# KiCad board gpu-external-power-supply.kicad_pcb
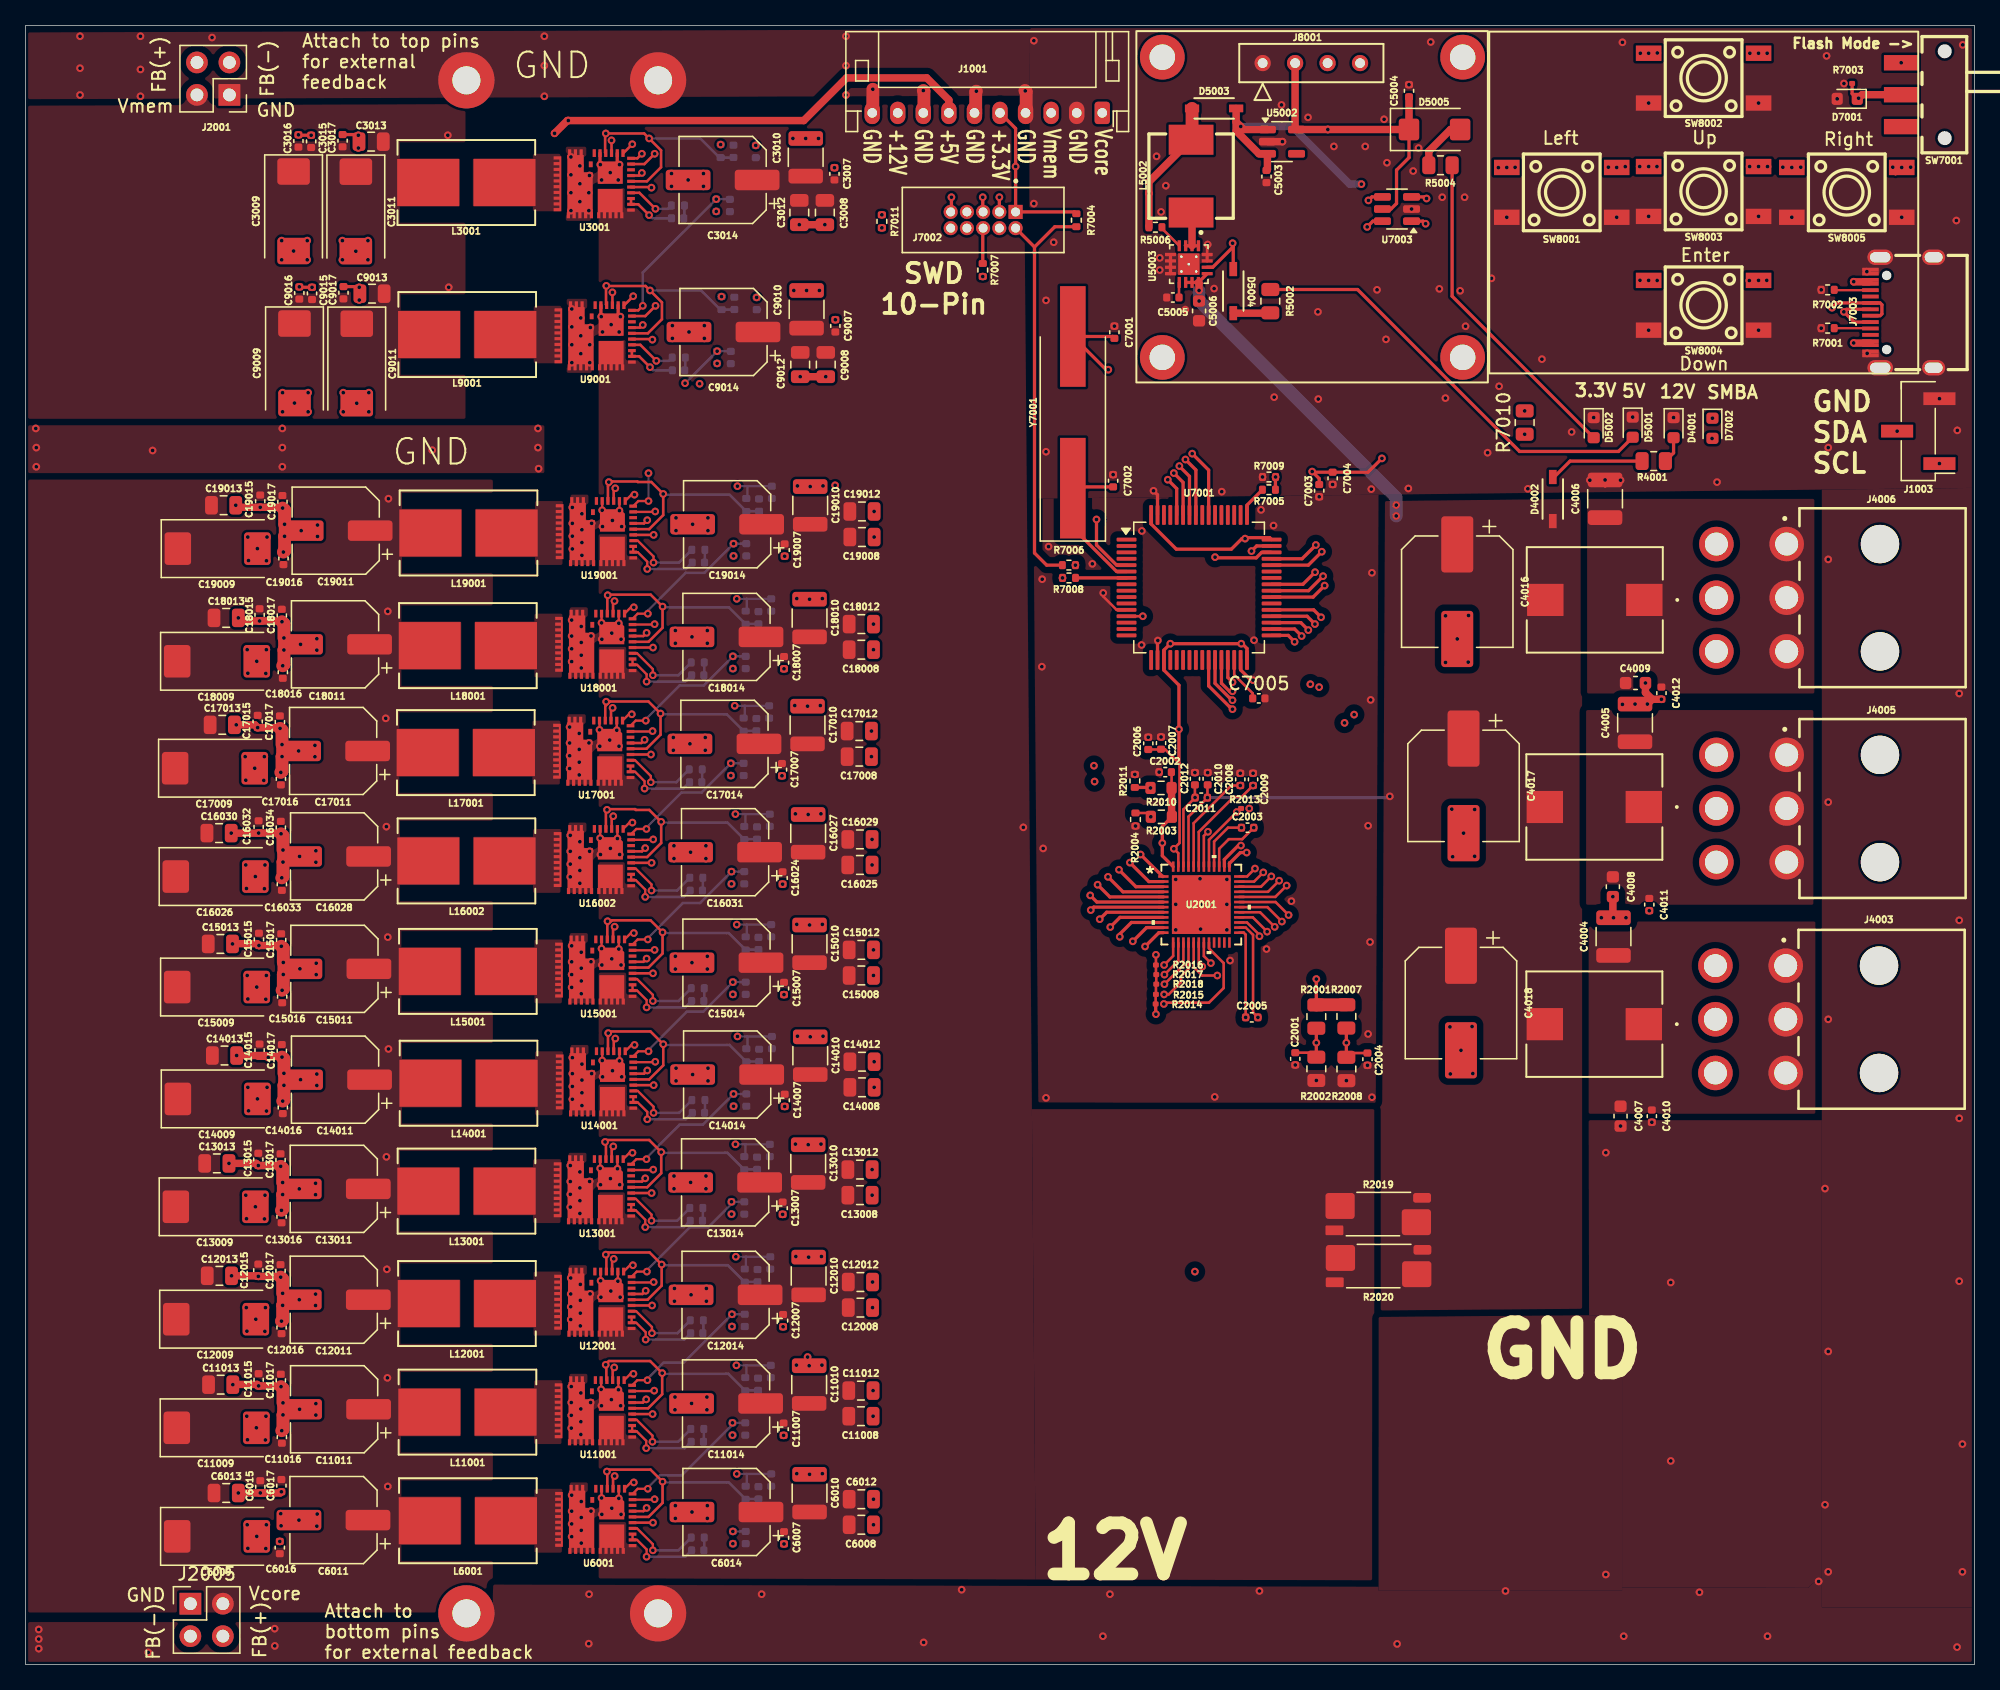
[diagram p0: board, top side]
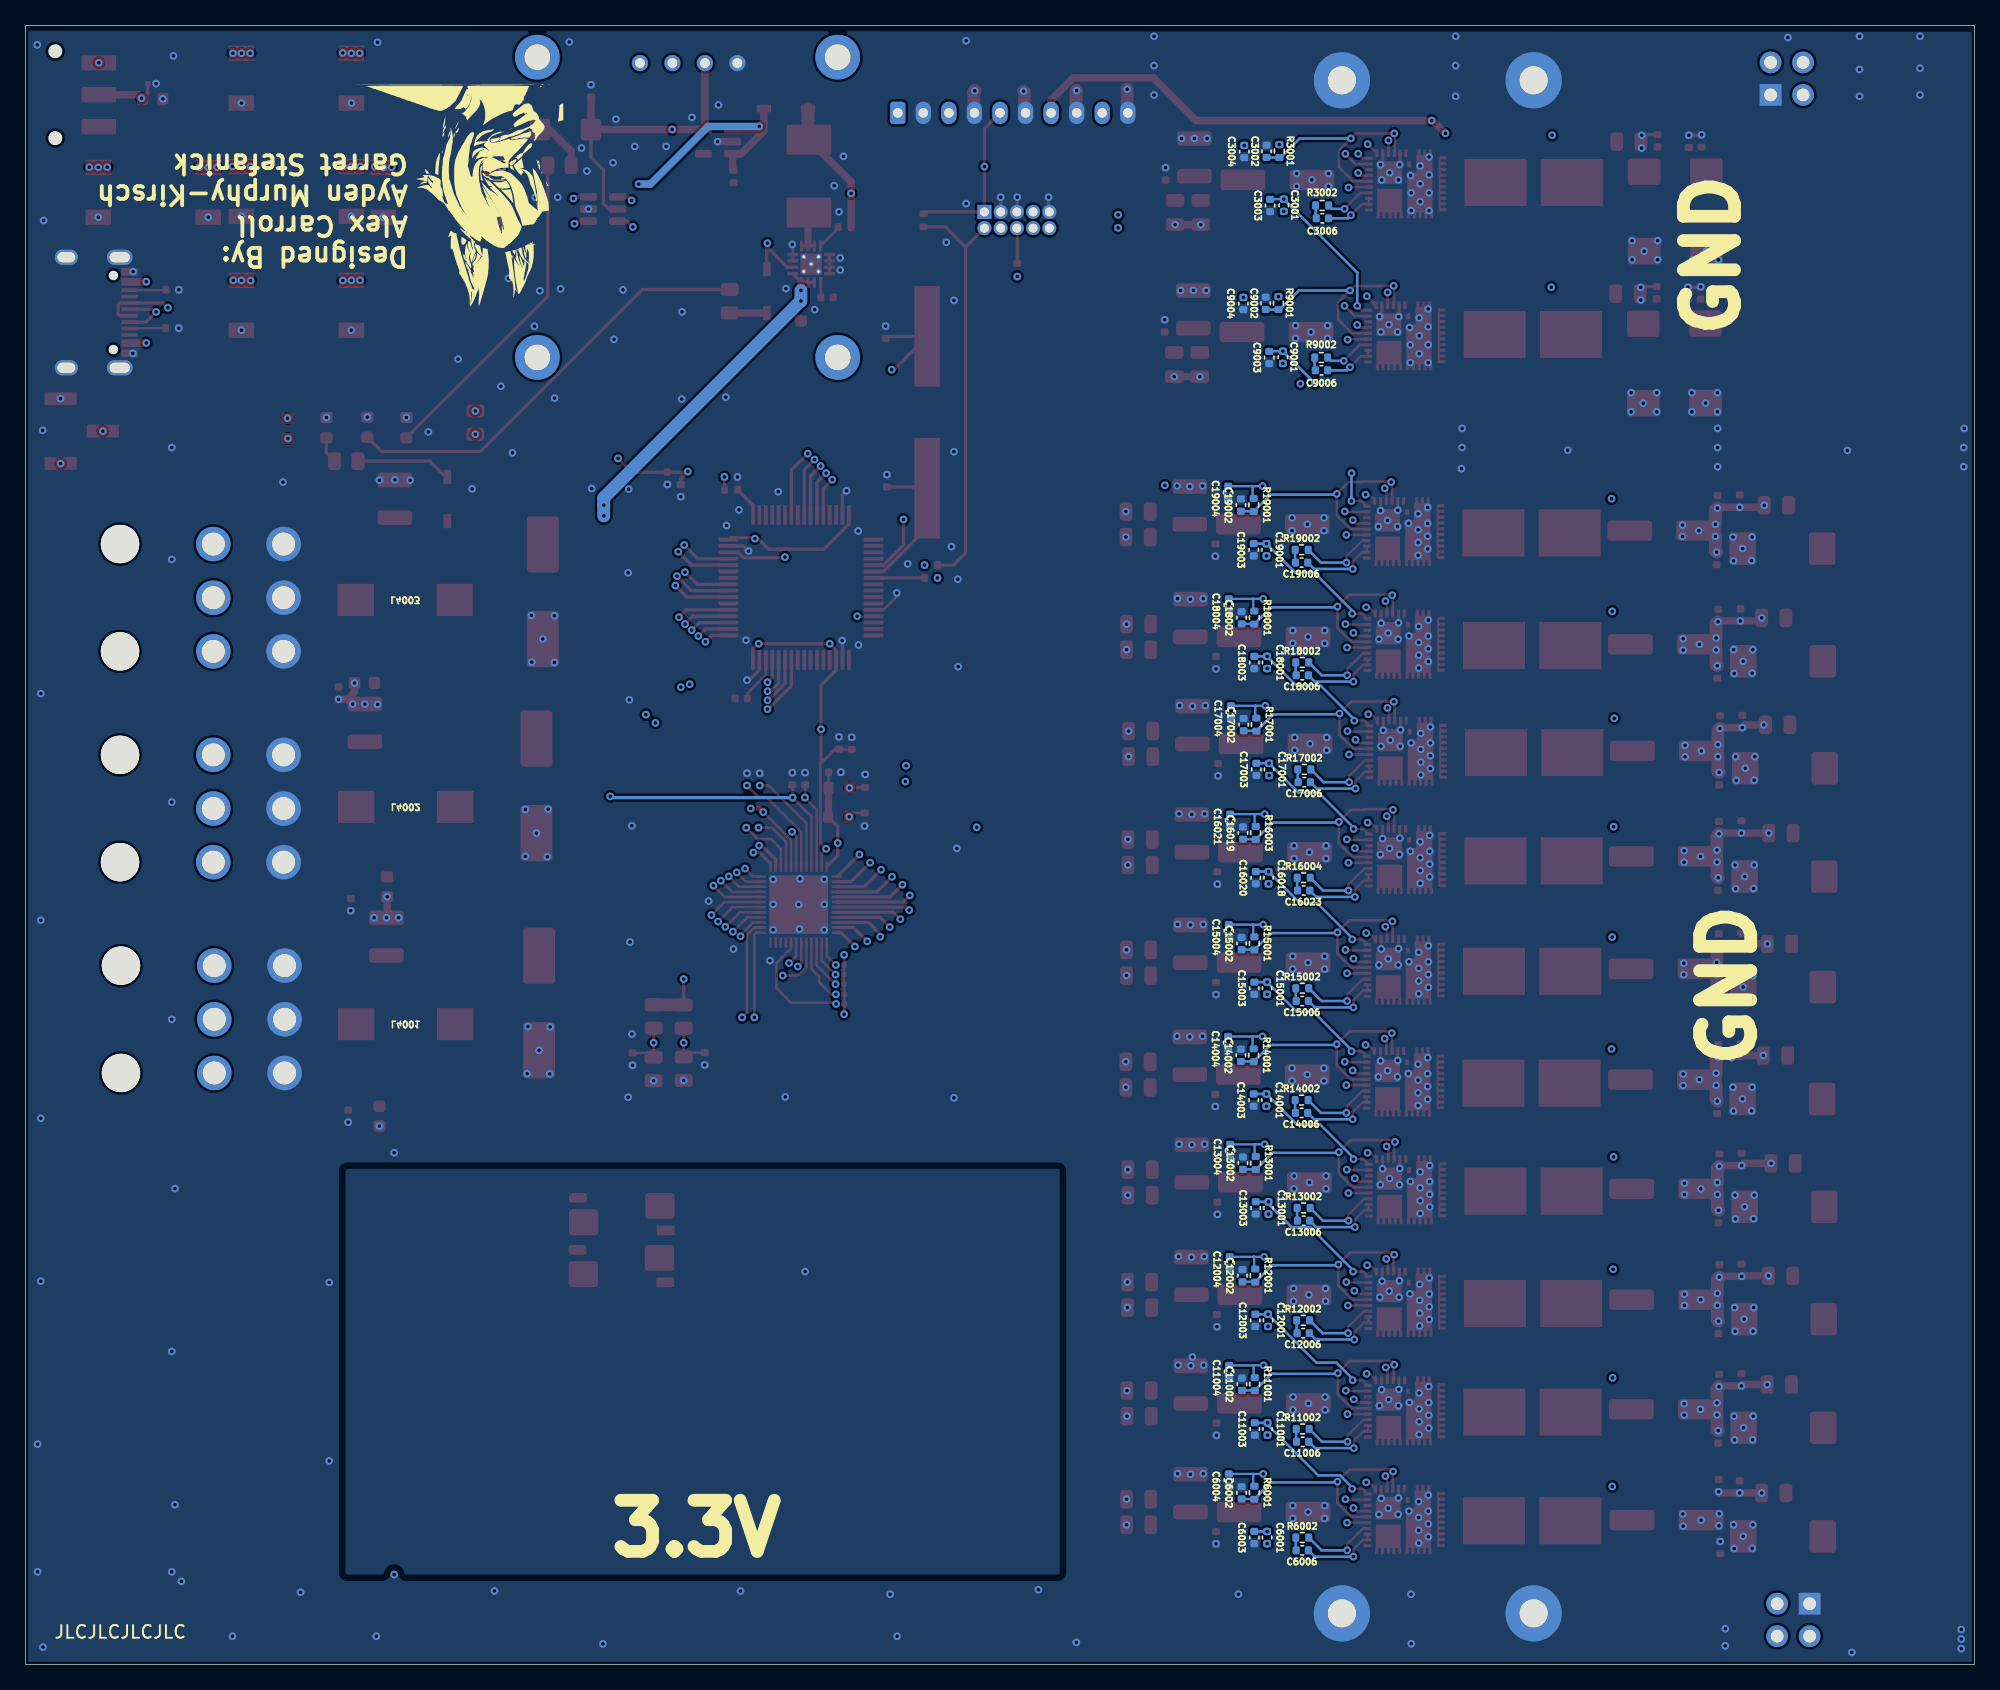
[diagram p1: board, bottom side, seen from below]

Outline 152.48 x 128.29 mm; copper layers: Top, In1.Cu, In2.Cu, In3.Cu, In4.Cu, Bottom. Coordinates in mm from the lower left corner of the outline.
Outline path: rectangle 0,128.29 152.48,0
Stack: Top 0.035mm / dielectric 0.1mm FR4 er 4.5 / In1.Cu 0.035mm / dielectric 0.535mm FR4 er 4.5 / In2.Cu 0.035mm / dielectric 0.1mm FR4 er 4.5 / In3.Cu 0.035mm / dielectric 0.535mm FR4 er 4.5 / In4.Cu 0.035mm / dielectric 0.1mm FR4 er 4.5 / Bottom 0.035mm

## Placement (name value [footprint] x y rotation side)
C2001  1nF  [C_0402_1005Metric]  99.34 47.41 270 top
C2002  1uF  [C_0402_1005Metric]  89.17 69.85 0 top
C2003  100pF  [C_0402_1005Metric]  95.61 65.5 0 top
C2004  1nF  [C_0402_1005Metric]  104.99 47.38 270 top
C2005  100pF  [C_0402_1005Metric]  95.94 50.65 0 top
C2006  0.1uF  [C_0402_1005Metric]  87.84 72.1 90 top
C2007  4.7uF  [C_0402_1005Metric]  88.84 72.12 90 top
C2008  220pF  [C_0402_1005Metric]  95.04 69.28 90 top
C2009  220pF  [C_0402_1005Metric]  96.04 69.28 90 top
C2010  1uF  [C_0402_1005Metric]  92.49 69.33 90 top
C2011  1uF  [C_0402_1005Metric]  91.99 67.85 180 top
C2012  1uF  [C_0402_1005Metric]  91.49 69.33 90 top
C3001  47pF  [C_0402_1005Metric]  54.04 114.22 90 bottom
C3002  2.2uF  [C_0402_1005Metric]  55.39 118.44 90 bottom
C3003  0.1uF  [C_0402_1005Metric]  55.11 114.2 270 bottom
C3004  2.2uF  [C_0402_1005Metric]  57.13 118.43 270 bottom
C3006  0.1uF  [C_0402_1005Metric]  51.02 113.2 180 bottom
C3007  0.1uF  [C_0402_1005Metric]  63.29 116.68 90 top
C3008  22uF  [C_0805_2012Metric]  62.54 113.65 270 top
C3009  330uF  [CP_EIA-7343-40_Kemet-Y]  20.97 113.75 270 top
C3010  47uF  [C_1210_3225Metric]  61.04 117.98 90 top
C3011  330uF  [CP_EIA-7343-40_Kemet-Y]  25.84 113.74 270 top
C3012  22uF  [C_0805_2012Metric]  60.54 113.65 270 top
C3013  47uF  [C_0805_2012Metric]  27.04 119.2 180 top
C3014  220uF  [CP_Elec_6.3x7.7]  54.54 116.2 180 top
C3015  22uF  [C_0402_1005Metric]  22.34 119.22 90 top
C3016  4.7uF  [C_0402_1005Metric]  21.35 119.25 90 top
C3017  0.1uF  [C_0402_1005Metric]  24.8 119.27 90 top
C4004  47uF  [C_1210_3225Metric]  124.24 56.97 90 top
C4005  47uF  [C_1210_3225Metric]  125.92 73.7 90 top
C4006  47uF  [C_1210_3225Metric]  123.58 91.24 90 top
C4007  10uF  [C_0603_1608Metric]  124.79 42.92 270 top
C4008  10uF  [C_0603_1608Metric]  124.19 60.88 270 top
C4009  10uF  [C_0603_1608Metric]  125.96 76.82 0 top
C4010  0.1uF  [C_0402_1005Metric]  127.24 42.92 270 top
C4011  0.1uF  [C_0402_1005Metric]  127.04 59.48 270 top
C4012  0.1uF  [C_0402_1005Metric]  127.99 76.03 270 top
C4016  470uF  [CP_Elec_8x10.5]  112.02 83.97 270 top
C4017  470uF  [CP_Elec_8x10.5]  112.51 68.77 270 top
C4018  470uF  [CP_Elec_8x10.5]  112.31 51.77 270 top
C5003  1uF  [C_0402_1005Metric]  97.09 116.47 270 top
C5004  1uF  [C_0402_1005Metric]  108.24 123.18 90 top
C5005  3.3nF  [C_0402_1005Metric]  89.77 107 180 top
C5006  10uF  [C_0603_1608Metric]  91.81 105.95 270 top
C6001  47pF  [C_0402_1005Metric]  55.34 9.93 90 bottom
C6002  2.2uF  [C_0402_1005Metric]  57.34 13.43 90 bottom
C6003  0.1uF  [C_0402_1005Metric]  56.34 9.93 270 bottom
C6004  2.2uF  [C_0402_1005Metric]  58.34 14.43 270 bottom
C6006  0.1uF  [C_0402_1005Metric]  52.59 8.93 180 bottom
C6007  0.1uF  [C_0402_1005Metric]  59.34 9.91 270 top
C6008  22uF  [C_0805_2012Metric]  65.39 10.93 0 top
C6009  470uF  [CP_EIA-7343-40_Kemet-Y]  14.98 10.02 0 top
C6010  47uF  [C_1210_3225Metric]  61.34 13.41 90 top
C6011  220uF  [CP_Elec_6.3x7.7]  24.09 11.3 180 top
C6012  22uF  [C_0805_2012Metric]  65.39 12.93 0 top
C6013  47uF  [C_0805_2012Metric]  15.7 13.42 0 top
C6014  220uF  [CP_Elec_6.3x7.7]  54.84 11.93 180 top
C6015  22uF  [C_0402_1005Metric]  18.36 13.91 270 top
C6016  4.7uF  [C_0402_1005Metric]  19.89 9.15 90 top
C6017  0.1uF  [C_0402_1005Metric]  20.02 14 270 top
C7001  20pF  [C_0402_1005Metric]  85.19 104.28 270 top
C7002  20pF  [C_0402_1005Metric]  85.09 92.66 270 top
C7003  4.7uF  [C_0402_1005Metric]  101.21 91.88 270 top
C7004  0.1uF  [C_0402_1005Metric]  102.27 92.84 270 top
C7005  4.7uF  [C_0402_1005Metric]  96.49 75.62 0 top
C9001  47pF  [C_0402_1005Metric]  54.11 102.32 90 bottom
C9002  2.2uF  [C_0402_1005Metric]  55.46 106.54 90 bottom
C9003  0.1uF  [C_0402_1005Metric]  55.18 102.3 270 bottom
C9004  2.2uF  [C_0402_1005Metric]  57.2 106.53 270 bottom
C9006  0.1uF  [C_0402_1005Metric]  51.09 101.3 180 bottom
C9007  0.1uF  [C_0402_1005Metric]  63.36 104.78 90 top
C9008  22uF  [C_0805_2012Metric]  62.61 101.75 270 top
C9009  330uF  [CP_EIA-7343-40_Kemet-Y]  21.04 101.85 270 top
C9010  47uF  [C_1210_3225Metric]  61.11 106.08 90 top
C9011  330uF  [CP_EIA-7343-40_Kemet-Y]  25.91 101.84 270 top
C9012  22uF  [C_0805_2012Metric]  60.61 101.75 270 top
C9013  47uF  [C_0805_2012Metric]  27.11 107.3 180 top
C9014  220uF  [CP_Elec_6.3x7.7]  54.61 104.3 180 top
C9015  22uF  [C_0402_1005Metric]  22.41 107.32 90 top
C9016  4.7uF  [C_0402_1005Metric]  21.42 107.35 90 top
C9017  0.1uF  [C_0402_1005Metric]  24.87 107.37 90 top
C11001  47pF  [C_0402_1005Metric]  55.31 18.43 90 bottom
C11002  2.2uF  [C_0402_1005Metric]  57.31 21.93 90 bottom
C11003  0.1uF  [C_0402_1005Metric]  56.31 18.43 270 bottom
C11004  2.2uF  [C_0402_1005Metric]  58.31 22.93 270 bottom
C11006  0.1uF  [C_0402_1005Metric]  52.56 17.43 180 bottom
C11007  0.1uF  [C_0402_1005Metric]  59.31 18.41 270 top
C11008  22uF  [C_0805_2012Metric]  65.36 19.43 0 top
C11009  470uF  [CP_EIA-7343-40_Kemet-Y]  14.94 18.52 0 top
C11010  47uF  [C_1210_3225Metric]  61.31 21.91 90 top
C11011  220uF  [CP_Elec_6.3x7.7]  24.14 19.97 180 top
C11012  22uF  [C_0805_2012Metric]  65.36 21.43 0 top
C11013  47uF  [C_0805_2012Metric]  15.27 21.9 0 top
C11014  220uF  [CP_Elec_6.3x7.7]  54.81 20.43 180 top
C11015  22uF  [C_0402_1005Metric]  18.24 22.28 270 top
C11016  4.7uF  [C_0402_1005Metric]  20.05 17.8 90 top
C11017  0.1uF  [C_0402_1005Metric]  19.97 22.24 270 top
C12001  47pF  [C_0402_1005Metric]  55.27 26.93 90 bottom
C12002  2.2uF  [C_0402_1005Metric]  57.27 30.43 90 bottom
C12003  0.1uF  [C_0402_1005Metric]  56.27 26.93 270 bottom
C12004  2.2uF  [C_0402_1005Metric]  58.27 31.43 270 bottom
C12006  0.1uF  [C_0402_1005Metric]  52.52 25.93 180 bottom
C12007  0.1uF  [C_0402_1005Metric]  59.27 26.91 270 top
C12008  22uF  [C_0805_2012Metric]  65.32 27.93 0 top
C12009  470uF  [CP_EIA-7343-40_Kemet-Y]  14.9 27.02 0 top
C12010  47uF  [C_1210_3225Metric]  61.27 30.41 90 top
C12011  220uF  [CP_Elec_6.3x7.7]  24.11 28.55 180 top
C12012  22uF  [C_0805_2012Metric]  65.32 29.93 0 top
C12013  47uF  [C_0805_2012Metric]  15.16 30.42 0 top
C12014  220uF  [CP_Elec_6.3x7.7]  54.77 28.93 180 top
C12015  22uF  [C_0402_1005Metric]  18.21 30.86 270 top
C12016  4.7uF  [C_0402_1005Metric]  20.03 26.37 90 top
C12017  0.1uF  [C_0402_1005Metric]  19.95 30.82 270 top
C13001  47pF  [C_0402_1005Metric]  55.23 35.73 90 bottom
C13002  2.2uF  [C_0402_1005Metric]  57.23 39.23 90 bottom
C13003  0.1uF  [C_0402_1005Metric]  56.23 35.73 270 bottom
C13004  2.2uF  [C_0402_1005Metric]  58.23 40.23 270 bottom
C13006  0.1uF  [C_0402_1005Metric]  52.48 34.73 180 bottom
C13007  0.1uF  [C_0402_1005Metric]  59.23 35.71 270 top
C13008  22uF  [C_0805_2012Metric]  65.28 36.73 0 top
C13009  470uF  [CP_EIA-7343-40_Kemet-Y]  14.87 35.83 0 top
C13010  47uF  [C_1210_3225Metric]  61.23 39.21 90 top
C13011  220uF  [CP_Elec_6.3x7.7]  24.11 37.22 180 top
C13012  22uF  [C_0805_2012Metric]  65.28 38.74 0 top
C13013  47uF  [C_0805_2012Metric]  14.96 39.22 0 top
C13014  220uF  [CP_Elec_6.3x7.7]  54.73 37.73 180 top
C13015  22uF  [C_0402_1005Metric]  18.21 39.53 270 top
C13016  4.7uF  [C_0402_1005Metric]  20.03 35.05 90 top
C13017  0.1uF  [C_0402_1005Metric]  19.95 39.49 270 top
C14001  47pF  [C_0402_1005Metric]  55.39 44.18 90 bottom
C14002  2.2uF  [C_0402_1005Metric]  57.39 47.68 90 bottom
C14003  0.1uF  [C_0402_1005Metric]  56.39 44.18 270 bottom
C14004  2.2uF  [C_0402_1005Metric]  58.39 48.68 270 bottom
C14006  0.1uF  [C_0402_1005Metric]  52.64 43.18 180 bottom
C14007  0.1uF  [C_0402_1005Metric]  59.39 44.16 270 top
C14008  22uF  [C_0805_2012Metric]  65.44 45.18 0 top
C14009  470uF  [CP_EIA-7343-40_Kemet-Y]  15.03 44.27 0 top
C14010  47uF  [C_1210_3225Metric]  61.39 47.65 90 top
C14011  220uF  [CP_Elec_6.3x7.7]  24.21 45.77 180 top
C14012  22uF  [C_0805_2012Metric]  65.44 47.18 0 top
C14013  47uF  [C_0805_2012Metric]  15.56 47.67 0 top
C14014  220uF  [CP_Elec_6.3x7.7]  54.89 46.18 180 top
C14015  22uF  [C_0402_1005Metric]  18.31 48.08 270 top
C14016  4.7uF  [C_0402_1005Metric]  20.13 43.6 90 top
C14017  0.1uF  [C_0402_1005Metric]  20.05 48.04 270 top
C15001  47pF  [C_0402_1005Metric]  55.34 52.93 90 bottom
C15002  2.2uF  [C_0402_1005Metric]  57.34 56.43 90 bottom
C15003  0.1uF  [C_0402_1005Metric]  56.34 52.93 270 bottom
C15004  2.2uF  [C_0402_1005Metric]  58.34 57.43 270 bottom
C15006  0.1uF  [C_0402_1005Metric]  52.59 51.93 180 bottom
C15007  0.1uF  [C_0402_1005Metric]  59.34 52.91 270 top
C15008  22uF  [C_0805_2012Metric]  65.39 53.93 0 top
C15009  470uF  [CP_EIA-7343-40_Kemet-Y]  14.98 53.02 0 top
C15010  47uF  [C_1210_3225Metric]  61.34 56.41 90 top
C15011  220uF  [CP_Elec_6.3x7.7]  24.16 54.45 180 top
C15012  22uF  [C_0805_2012Metric]  65.39 55.93 0 top
C15013  47uF  [C_0805_2012Metric]  15.24 56.4 0 top
C15014  220uF  [CP_Elec_6.3x7.7]  54.84 54.93 180 top
C15015  22uF  [C_0402_1005Metric]  18.26 56.76 270 top
C15016  4.7uF  [C_0402_1005Metric]  20.08 52.27 90 top
C15017  0.1uF  [C_0402_1005Metric]  20 56.72 270 top
C16018  47pF  [C_0402_1005Metric]  55.23 61.58 90 bottom
C16019  2.2uF  [C_0402_1005Metric]  57.23 65.08 90 bottom
C16020  0.1uF  [C_0402_1005Metric]  56.23 61.58 270 bottom
C16021  2.2uF  [C_0402_1005Metric]  58.23 66.08 270 bottom
C16023  0.1uF  [C_0402_1005Metric]  52.48 60.58 180 bottom
C16024  0.1uF  [C_0402_1005Metric]  59.23 61.56 270 top
C16025  22uF  [C_0805_2012Metric]  65.28 62.58 0 top
C16026  470uF  [CP_EIA-7343-40_Kemet-Y]  14.87 61.67 0 top
C16027  47uF  [C_1210_3225Metric]  61.23 65.06 90 top
C16028  220uF  [CP_Elec_6.3x7.7]  24.14 63.25 180 top
C16029  22uF  [C_0805_2012Metric]  65.28 64.58 0 top
C16030  47uF  [C_0805_2012Metric]  15.14 65.07 0 top
C16031  220uF  [CP_Elec_6.3x7.7]  54.73 63.58 180 top
C16032  22uF  [C_0402_1005Metric]  18.24 65.56 270 top
C16033  4.7uF  [C_0402_1005Metric]  20.05 61.07 90 top
C16034  0.1uF  [C_0402_1005Metric]  19.97 65.52 270 top
C17001  47pF  [C_0402_1005Metric]  55.18 70.06 90 bottom
C17002  2.2uF  [C_0402_1005Metric]  57.18 73.56 90 bottom
C17003  0.1uF  [C_0402_1005Metric]  56.18 70.06 270 bottom
C17004  2.2uF  [C_0402_1005Metric]  58.18 74.56 270 bottom
C17006  0.1uF  [C_0402_1005Metric]  52.43 69.06 180 bottom
C17007  0.1uF  [C_0402_1005Metric]  59.18 70.04 270 top
C17008  22uF  [C_0805_2012Metric]  65.23 71.06 0 top
C17009  470uF  [CP_EIA-7343-40_Kemet-Y]  14.82 70.15 0 top
C17010  47uF  [C_1210_3225Metric]  61.18 73.53 90 top
C17011  220uF  [CP_Elec_6.3x7.7]  24.06 71.5 180 top
C17012  22uF  [C_0805_2012Metric]  65.23 73.06 0 top
C17013  47uF  [C_0805_2012Metric]  15.39 73.55 0 top
C17014  220uF  [CP_Elec_6.3x7.7]  54.68 72.06 180 top
C17015  22uF  [C_0402_1005Metric]  18.16 73.81 270 top
C17016  4.7uF  [C_0402_1005Metric]  19.98 69.33 90 top
C17017  0.1uF  [C_0402_1005Metric]  19.9 73.77 270 top
C18001  47pF  [C_0402_1005Metric]  55.34 78.43 90 bottom
C18002  2.2uF  [C_0402_1005Metric]  57.34 81.93 90 bottom
C18003  0.1uF  [C_0402_1005Metric]  56.34 78.43 270 bottom
C18004  2.2uF  [C_0402_1005Metric]  58.34 82.93 270 bottom
C18006  0.1uF  [C_0402_1005Metric]  52.59 77.43 180 bottom
C18007  0.1uF  [C_0402_1005Metric]  59.34 78.41 270 top
C18008  22uF  [C_0805_2012Metric]  65.39 79.43 0 top
C18009  470uF  [CP_EIA-7343-40_Kemet-Y]  14.98 78.52 0 top
C18010  47uF  [C_1210_3225Metric]  61.34 81.91 90 top
C18011  220uF  [CP_Elec_6.3x7.7]  24.21 79.85 180 top
C18012  22uF  [C_0805_2012Metric]  65.39 81.43 0 top
C18013  47uF  [C_0805_2012Metric]  15.7 81.92 0 top
C18014  220uF  [CP_Elec_6.3x7.7]  54.84 80.43 180 top
C18015  22uF  [C_0402_1005Metric]  18.31 82.16 270 top
C18016  4.7uF  [C_0402_1005Metric]  20.13 77.67 90 top
C18017  0.1uF  [C_0402_1005Metric]  20.05 82.12 270 top
C19001  47pF  [C_0402_1005Metric]  55.39 87.25 90 bottom
C19002  2.2uF  [C_0402_1005Metric]  57.39 90.75 90 bottom
C19003  0.1uF  [C_0402_1005Metric]  56.39 87.25 270 bottom
C19004  2.2uF  [C_0402_1005Metric]  58.39 91.75 270 bottom
C19006  0.1uF  [C_0402_1005Metric]  52.64 86.25 180 bottom
C19007  0.1uF  [C_0402_1005Metric]  59.39 87.23 270 top
C19008  22uF  [C_0805_2012Metric]  65.44 88.25 0 top
C19009  470uF  [CP_EIA-7343-40_Kemet-Y]  15.03 87.34 0 top
C19010  47uF  [C_1210_3225Metric]  61.39 90.72 90 top
C19011  220uF  [CP_Elec_6.3x7.7]  24.27 88.75 180 top
C19012  22uF  [C_0805_2012Metric]  65.44 90.25 0 top
C19013  47uF  [C_0805_2012Metric]  15.5 90.74 0 top
C19014  220uF  [CP_Elec_6.3x7.7]  54.89 89.25 180 top
C19015  22uF  [C_0402_1005Metric]  18.36 91.06 270 top
C19016  4.7uF  [C_0402_1005Metric]  20.18 86.57 90 top
C19017  0.1uF  [C_0402_1005Metric]  20.1 91.02 270 top
D4001  150080SS75000  [LED_0603_1608Metric]  128.94 96.81 270 top
D4002  D_Zener (Vz = 10V)  [SOD123_DIO]  119.49 91.22 90 top
D5001  150080SS75000  [LED_0603_1608Metric]  125.74 96.85 270 top
D5002  150080SS75000  [LED_0603_1608Metric]  122.69 96.81 270 top
D5003  Vd = 1.25V  [SOD123_DIO]  92.99 121.8 180 top
D5004  D_Zener (Vz = 2.7V)  [SOD123_DIO]  94.49 107.5 270 top
D5005  D_Zener (Vz = 1V)  [P25_DO-214AC_SMA]  108.24 120.15 0 top
D7001  GG060303100N2P  [D_0603_1608Metric]  142.53 122.55 180 top
D7002  150080SS75000  [LED_0603_1608Metric]  131.98 96.76 270 top
G***  LOGO  [stitchy_pic_b]  120.4 114.77 180 top
H1  MountingHole_Pad  [MountingHole_2.2mm_M2_Pad]  34.49 4 0 top
H2  MountingHole_Pad  [MountingHole_2.2mm_M2_Pad]  49.49 4 0 top
H3  MountingHole_Pad  [MountingHole_2.2mm_M2_Pad]  49.49 124 0 top
H4  MountingHole_Pad  [MountingHole_2.2mm_M2_Pad]  34.49 124 0 top
J1001  Conn_01x10_Pin  [JST_PH_S10B-PH-K_1x10_P2.00mm_Horizontal]  84.24 121.45 180 top
J1003  Conn_01x03_Pin  [PinHeader_1x03_P2.54mm_Vertical_SMD_Pin1Left]  148.08 96.54 180 top
J2001  Conn_02x02_Counter_Clockwise  [PinHeader_2x02_P2.54mm_Vertical]  15.95 122.86 180 top
J2005  Conn_02x02_Counter_Clockwise  [PinHeader_2x02_P2.54mm_Vertical]  12.9 4.75 0 top
J4003  6490XX227222_649006227222  [PCIe_2x3_Conn_Header]  145.21 50.5 90 top
J4005  6490XX227222_649006227222  [PCIe_2x3_Conn_Header]  145.29 67 90 top
J4006  6490XX227222_649006227222  [PCIe_2x3_Conn_Header]  145.29 83.5 90 top
J7002  Conn_ARM_JTAG_SWD_10  [CNC_3221-10-0100-00]  74.92 113.06 180 top
J7003  USB_C_Receptacle_USB2.0_16P  [USB-C_SMD-TYPE-C-31-M-12]  146.82 105.82 90 top
J8001  Conn_01x04_Pin  [CONN_PPTC041LFBN-RC_SUL]  86.91 127.85 0 top
L3001  150nH  [IND_IHVR-4025JZ-3Z_VIS]  34.49 116 180 top
L4001  170nH  [IND_IFLR4031GCERR17M01_VIS]  122.74 50.12 180 top
L4002  170nH  [IND_IFLR4031GCERR17M01_VIS]  122.74 67.12 180 top
L4003  170nH  [IND_IFLR4031GCERR17M01_VIS]  122.78 83.33 180 top
L5002  2.2uH  [IND-SMD_L7.2-W6.6_GPSR07X0]  91.19 116.5 90 top
L6001  150nH  [IND_IHVR-4025JZ-3Z_VIS]  34.61 11.25 180 top
L9001  150nH  [IND_IHVR-4025JZ-3Z_VIS]  34.56 104.1 180 top
L11001  150nH  [IND_IHVR-4025JZ-3Z_VIS]  34.57 19.75 180 top
L12001  150nH  [IND_IHVR-4025JZ-3Z_VIS]  34.53 28.25 180 top
L13001  150nH  [IND_IHVR-4025JZ-3Z_VIS]  34.5 37.05 180 top
L14001  150nH  [IND_IHVR-4025JZ-3Z_VIS]  34.66 45.49 180 top
L15001  150nH  [IND_IHVR-4025JZ-3Z_VIS]  34.61 54.25 180 top
L16002  150nH  [IND_IHVR-4025JZ-3Z_VIS]  34.5 62.9 180 top
L17001  150nH  [IND_IHVR-4025JZ-3Z_VIS]  34.45 71.38 180 top
L18001  150nH  [IND_IHVR-4025JZ-3Z_VIS]  34.61 79.75 180 top
L19001  150nH  [IND_IHVR-4025JZ-3Z_VIS]  34.66 88.57 180 top
R2001  10k  [R_0805_2012Metric]  100.99 50.71 270 top
R2002  10k  [R_0805_2012Metric]  100.99 46.62 270 top
R2003  130k  [R_0603_1608Metric]  88.86 66.35 180 top
R2004  37.4k  [R_0402_1005Metric]  86.84 66.14 270 top
R2007  10k  [R_0805_2012Metric]  103.34 50.72 270 top
R2008  10k  [R_0805_2012Metric]  103.34 46.61 270 top
R2010  130k  [R_0603_1608Metric]  88.84 68.61 180 top
R2011  37.4k  [R_0402_1005Metric]  86.79 69.16 90 top
R2013  10k  [R_0201_0603Metric]  95.42 67 180 top
R2014  10k  [R_0201_0603Metric]  88.74 51.7 0 top
R2015  10k  [R_0201_0603Metric]  88.76 52.45 0 top
R2016  10k  [R_0201_0603Metric]  88.76 54.75 0 top
R2017  10k  [R_0201_0603Metric]  88.78 54 0 top
R2018  10k  [R_0201_0603Metric]  88.78 53.25 0 top
R2019  1m  [R_Shunt_Vishay_WSK2512_6332Metric_T1.19mm]  105.83 35.25 0 top
R2020  1m  [R_Shunt_Vishay_WSK2512_6332Metric_T1.19mm]  105.86 31.19 0 top
R3001  2.2  [R_0402_1005Metric]  54.38 118.46 90 bottom
R3002  0  [R_0402_1005Metric]  51.04 114.2 0 bottom
R4001  0  [R_0805_2012Metric]  127.39 94.2 0 top
R5002  82  [R_0805_2012Metric]  97.39 106.71 90 top
R5004  82  [R_0805_2012Metric]  110.7 117.35 0 top
R5006  100k  [R_0402_1005Metric]  88.4 112.5 180 top
R6001  2.2  [R_0402_1005Metric]  56.34 13.44 90 bottom
R6002  0  [R_0402_1005Metric]  52.59 9.93 0 bottom
R7001  5.1K  [R_0402_1005Metric]  141 104.6 180 top
R7002  5.1K  [R_0402_1005Metric]  141 107.6 180 top
R7003  10k  [R_0201_0603Metric]  142.59 123.75 0 top
R7004  100k  [R_0402_1005Metric]  82.21 113.05 270 top
R7005  100  [R_0402_1005Metric]  97.28 91.95 180 top
R7006  100  [R_0402_1005Metric]  81.63 86.05 0 top
R7007  100  [R_0402_1005Metric]  74.89 109.15 270 top
R7008  100  [R_0402_1005Metric]  81.64 85.05 0 top
R7009  100k  [R_0402_1005Metric]  97.29 92.95 180 top
R7010  680  [R_0805_2012Metric]  117.29 97.21 90 top
R7011  100k  [R_0402_1005Metric]  67 112.96 270 top
R9001  2.2  [R_0402_1005Metric]  54.45 106.56 90 bottom
R9002  0  [R_0402_1005Metric]  51.11 102.3 0 bottom
R11001  2.2  [R_0402_1005Metric]  56.31 21.94 90 bottom
R11002  0  [R_0402_1005Metric]  52.56 18.43 0 bottom
R12001  2.2  [R_0402_1005Metric]  56.27 30.44 90 bottom
R12002  0  [R_0402_1005Metric]  52.52 26.93 0 bottom
R13001  2.2  [R_0402_1005Metric]  56.23 39.24 90 bottom
R13002  0  [R_0402_1005Metric]  52.48 35.73 0 bottom
R14001  2.2  [R_0402_1005Metric]  56.39 47.69 90 bottom
R14002  0  [R_0402_1005Metric]  52.64 44.18 0 bottom